# KiCad board EKO_Miner_BM1366-13xx_16-01A.kicad_pcb (continued)
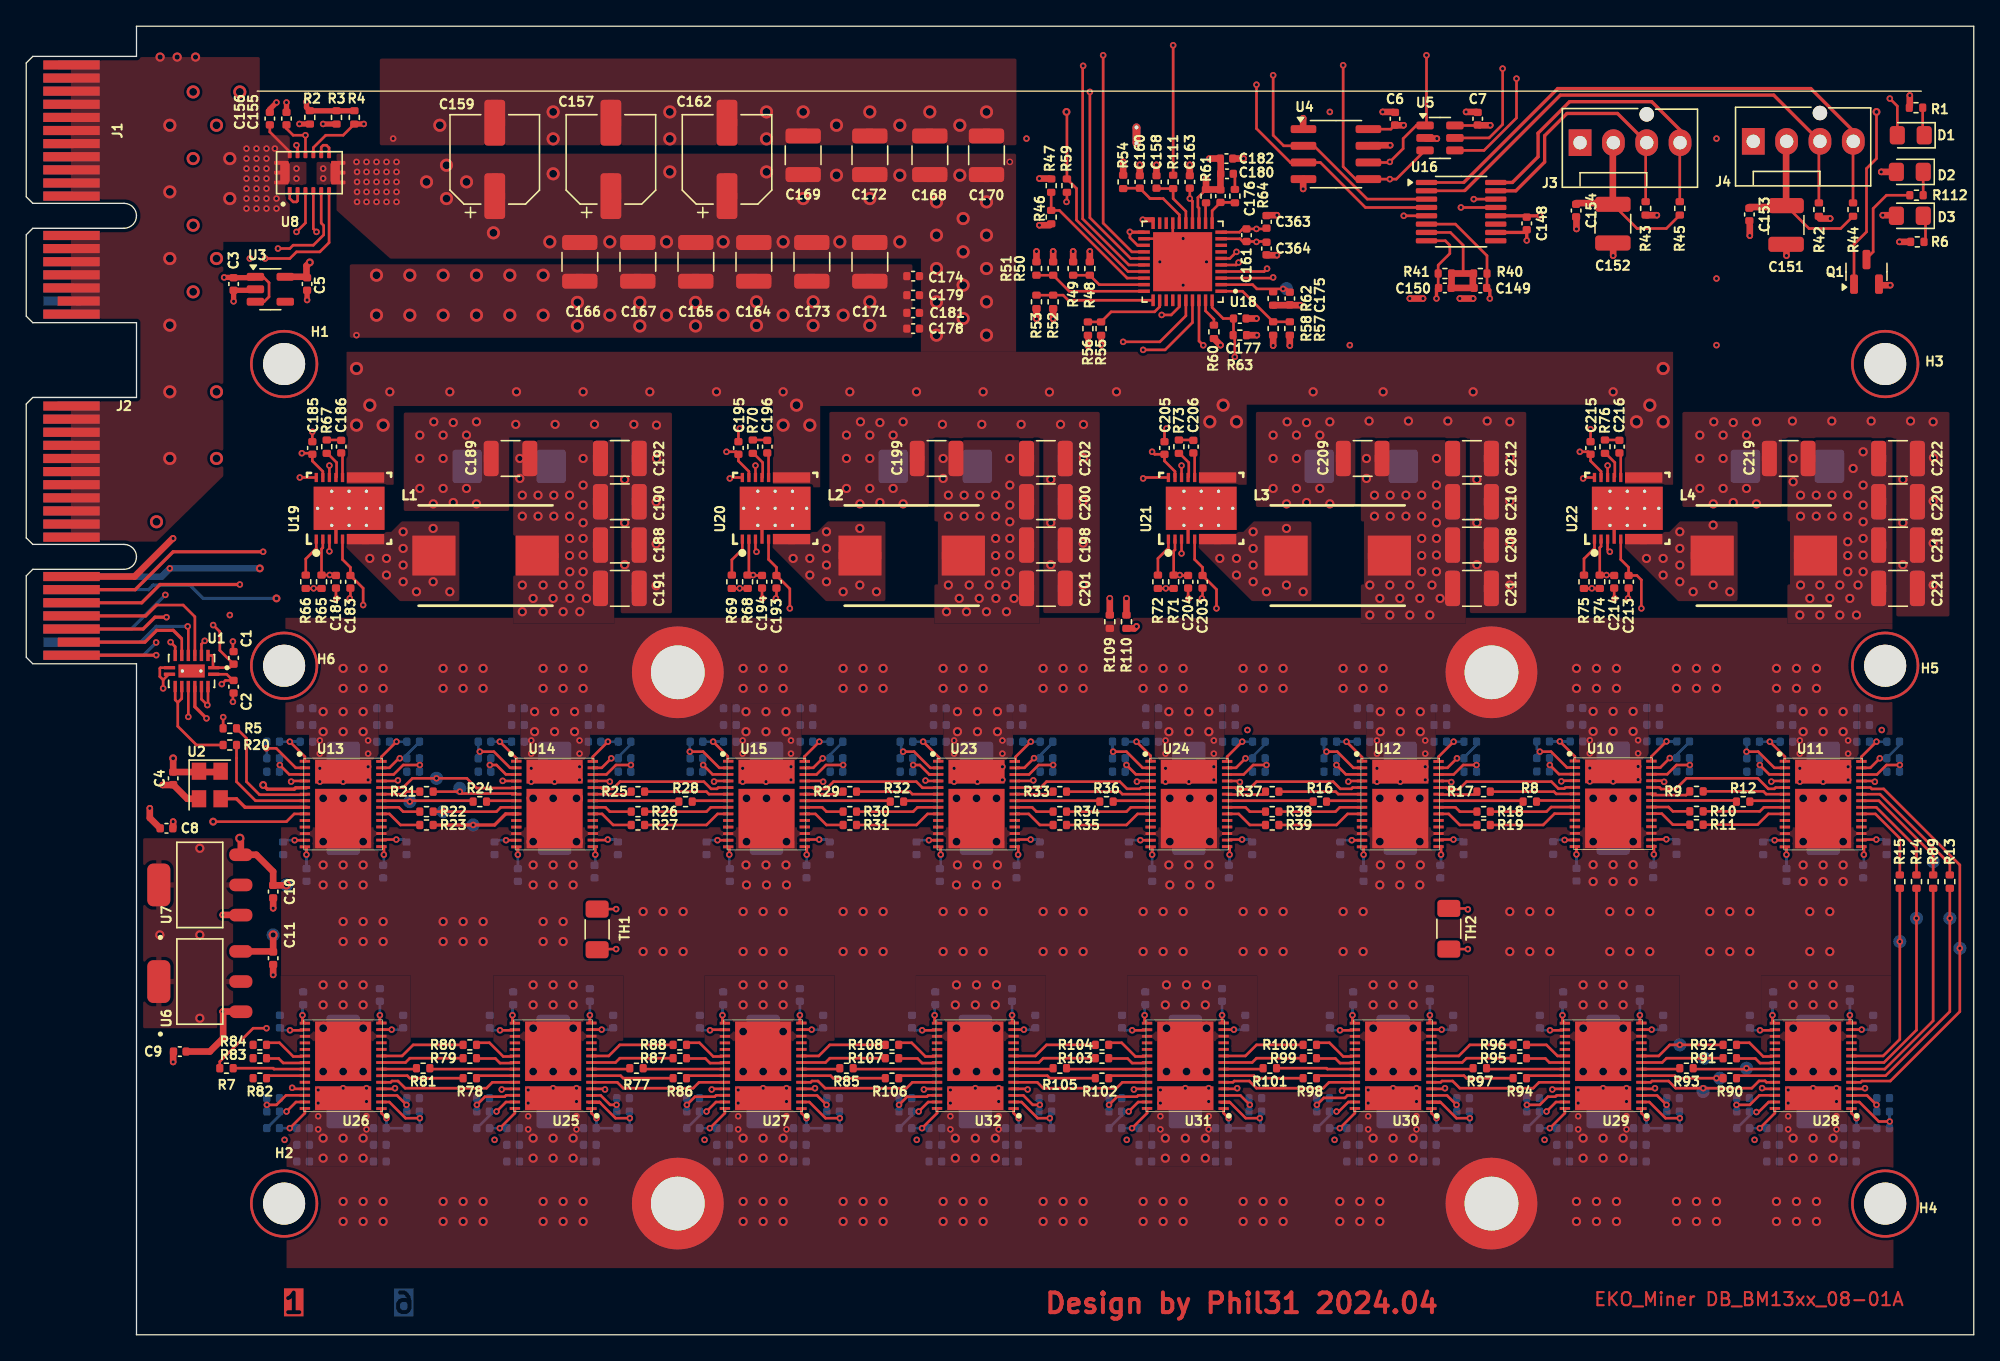
[diagram p0: board, top side]
## Routing (per net, layer and track width the routed paths; a pad name or vN(x,y) marks a point on that pad's centre or on a via; arc(x,y) is an arc through that point) (continued)
VREF: length 28.2
  Top w0.2: U18.13 89.37,85.89 89.28,85.97 89.28,86.69 R61.2 ; U20.2 55.07,58.01 R68.1 55,57.88 55.36,57.88 v2(55.39,57.91) 55.42,57.88 C194.1 ; U22.2 120,60.1 119.9,60 R74.1 119.93,57.88 120.38,57.88 v2(120.41,57.91) 120.45,57.88 C214.1 ; U19.2 22.6,60 22.5,59.9 R65.1 23.11,57.91 v2(23.12,57.92) 23.16,57.88 C184.1 ; C204.1 87.93,57.88 v2(87.9,57.91) 87.87,57.88 87.46,57.88 R71.1 87.43,59.74 87.53,59.84 U21.2
  Top w0.4: 81.9,76.1 v2(81.9,75.45)
  Top w0.5: 78,84.58 v2(77.2,84.58) ; C182.1 91.02,89.62 C180.1 91,88.48 C176.1 90.97,87.31 R61.2 v2(89.9,88.1) ; 78.25,78.23 v2(78.25,77.44) ; 96.28,76.2 v2(96.28,75.41) ; 81.04,81.79 v2(81.04,82.58) ; 90.95,89.66 v2(90.16,89.66) ; 78.25,81.79 v2(78.25,82.58)
Net-(C180-Pad2): length 1.2
  Top w0.2: R64.1 92.1,88.38 C180.2
Net-(C186-Pad1): length 1.1
  Top w0.2: C186.1 23.97,68.21 R67.1
Net-(C196-Pad1): length 1.1
  Top w0.2: C196.1 56.44,68.21 R70.1
Net-(C206-Pad1): length 1.1
  Top w0.2: C206.1 88.9,68.21 R73.1
Net-(C216-Pad1): length 1.1
  Top w0.2: R76.1 121.37,68.21 C216.1
Net-(D1-A): length 171.3
  Top w0.2: v2(142,94.23) 142.58,93.66 D1.2 ; U1.7 11.35,52.45 v2(11,52.8)
  In2.Cu w0.2: v2(11,52.8) 12.24,52.8 12.97,52.07 16.27,52.07 17.04,52.83 17.04,59.83 19.36,62.15 19.36,69.92 22.99,73.55 22.99,76.37 24.37,77.75 24.37,89.4 29.97,95 75.71,95 76.73,93.98 95.01,93.98 95.78,94.74 138.19,94.74 138.7,94.23 v2(142,94.23)
Net-(D1-K): length 2.1
  Top w0.2: R1.2 144.51,91.56 D1.1
Net-(D2-K): length 1.8
  Top w0.2: D2.1 144.55,88.64 R112.2
Net-(D3-K): length 2
  Top w0.2: 144.72,85.3 144.72,83.43 R6.2
Net-(NT1-Pad2): length 117.9
  Top w0.2: v2(109.85,32.42) 109.78,32.5 TH2.2
  In2.Cu w0.2: 138.7,31.24 139.89,32.42
  In2.Cu w0.25: 140.1,32.64 138.7,31.24 111.03,31.24 v2(109.85,32.42) ; 140.1,32.64 139.89,32.42 ; 140.1,32.64 147.08,39.62 147.08,73.88 142.93,78.04 111.21,78.04 v2(110.25,78.99)
Net-(NT2-Pad2): length 182.1
  Top w0.2: TH1.2 v2(44.95,32.45)
  In2.Cu w0.25: v2(44.95,32.45) 46.16,31.24 103.4,31.24 105.65,33.5 139.44,33.5 146.07,40.13 146.07,73.62 142.55,77.14 108.29,77.14 v2(106.44,78.99)
Net-(Q1-D): length 7.2
  Top w0.2: R112.1 141.75,86.87 140.73,85.85 140.73,82.55 140.23,82.04
Net-(U8-IN+): length 2.1
  Top w0.2: U8.1 20.08,86.62 20.34,86.36 20.59,86.36 20.68,86.44 U8.2
Net-(U8-IN-): length 1.8
  Top w0.2: U8.9 22.48,90.53 22.62,90.68 22.88,90.68 23.08,90.48 U8.8
Net-(U10-BO): length 3.1
  Top w0.2: R9.1 126.48,41.14 123.93,41.14 U10.23
Net-(U10-CLKO): length 3.1
  Top w0.2: R10.1 125.47,39.9 125.14,40.23 U10.21
Net-(U10-CO): length 3.3
  Top w0.2: R11.1 125.47,38.88 124.63,39.72 U10.20
Net-(U10-RO): length 3
  Top w0.2: U10.7 115.17,40.73 R8.1
Net-(U11-BO): length 9.8
  Top w0.2: U11.23 139.84,41.21 141.25,41.21 146.58,35.89 R13.1
Net-(U11-CLKO): length 7.6
  Top w0.2: U11.21 140.97,40.21 144.04,37.14 R14.1
Net-(U11-CO): length 6.5
  Top w0.2: U11.20 140.91,39.7 142.77,37.85 R15.1
Net-(U11-RO): length 2.7
  Top w0.2: R12.1 131.41,40.71 U11.7
Net-(U12-BO): length 3
  Top w0.2: R17.1 110.32,41.18 107.65,41.18 U12.23
Net-(U12-CLKO): length 3.1
  Top w0.2: R18.1 109.24,39.88 108.91,40.21 U12.21
Net-(U12-CO): length 3.3
  Top w0.2: R19.1 109.24,38.86 108.4,39.7 U12.20
Net-(U12-RO): length 2.7
  Top w0.2: R16.1 99.15,40.71 U12.7
Net-(U13-BO): length 3
  Top w0.2: U13.23 28.78,41.21 28.97,41.4 R21.1
Net-(U13-CLKO): length 3.1
  Top w0.2: R22.1 28.72,39.88 28.39,40.21 U13.21
Net-(U13-CO): length 3.3
  Top w0.2: U13.20 27.67,39.7 28.52,38.86 R23.1
Net-(U13-RO): length 8.8
  Top w0.2: 21.38,40.71 17.48,40.71 16.02,42.16 16.02,43.94 16.02,43.94 R20.1
Net-(U14-BO): length 3
  Top w0.2: U14.23 43.18,41.21 45.9,41.21 R25.1
Net-(U14-CLKO): length 3.1
  Top w0.2: R26.1 44.47,39.88 44.14,40.21 U14.21
Net-(U14-CO): length 3.3
  Top w0.2: R27.1 44.72,38.86 43.88,39.7 U14.20
Net-(U14-RO): length 2.3
  Top w0.2: R24.1 35.14,40.71 U14.7
Net-(U15-BO): length 3
  Top w0.2: 59.32,41.18 59.29,41.21 59.29,41.21 62.02,41.21 62.21,41.4
Net-(U15-CLKO): length 3.1
  Top w0.2: 59.29,40.21 60.65,40.21 60.98,39.88 62.21,39.88
Net-(U15-CO): length 3.3
  Top w0.2: 62.21,38.86 60.98,38.86 60.14,39.7 59.29,39.7
Net-(U15-RO): length 2.7
  Top w0.2: 50.82,40.64 50.89,40.71 53.45,40.71
Net-(U16-REF): length 10.8
  Top w0.2: 108.61,79.86 108.67,79.8 ; 109.49,80.9 109.49,83.06 108.52,84.03 U16.7 ; 110.23,80.84 R40.1
  Top w0.5: 108.67,79.8 110.23,79.8 110.23,80.84 ; 108.61,79.86 R41.2 R40.1
Net-(U16-TH1): length 125.1
  Top w0.2: TH2.1 v2(109.85,29.4) ; 111.37,79.8 111.31,79.86 R40.2 111.31,82.26 108.9,84.66 U16.6
  Top w0.25: v2(111.52,78.99) 111.52,79.64 111.37,79.8
  In2.Cu w0.25: v2(111.52,78.99) 112.03,78.49 143.11,78.49 147.59,74.01 147.59,39.37 138.96,30.73 111.18,30.73 v2(109.85,29.4)
Net-(U16-TH2): length 189
  Top w0.2: 43.5,29.4 v2(44.95,29.4) ; 106.7,83.4 108.14,83.4 108.48,83.06 108.48,82.42 107.59,81.54 R41.1 107.59,79.86 107.53,79.8
  Top w0.25: v2(107.46,78.99) 107.46,79.73 107.53,79.8
  In2.Cu w0.25: v2(44.95,29.4) 44.95,29.44 46.25,30.73 103.65,30.73 105.97,33.05 139.75,33.05 146.58,39.88 146.58,73.75 142.74,77.59 108.87,77.59 v2(107.46,78.99)
Net-(U18-ADDR_TRISE): length 10.6
  Top w0.2: U18.28 83.89,80.55 78.73,85.71 R46.2 R47.1
Net-(U18-COMP): length 3
  Top w0.2: U18.11 90.37,85.69 C176.2 92.07,86.32 R64.2
Net-(U18-F-IMAX): length 6.4
  Top w0.2: U18.32 86.37,78.37 85.98,77.98 82.67,77.98 R55.2 R56.1
Net-(U18-IMON): length 5.5
  Top w0.2: U18.2 93.45,80.05 93.77,79.73 v2(95.78,79.73) 96.03,79.73 C175.1
Net-(U18-ISUM): length 1.6
  Top w0.2: R61.1 89.87,86.25 U18.12
Net-(U18-O-USR): length 8.7
  Top w0.2: U18.30 79.47,79.55 R50.2 R51.1
Net-(U18-OCL-R): length 6.2
  Top w0.2: U18.1 92.68,79.55 R58.1 R57.2
Net-(U18-SKIP#_NVM): length 2.2
  Top w0.2: R60.2 90.5,77.41 89.87,78.05 U18.39
Net-(U18-SLEW_MODE): length 5.7
  Top w0.2: U18.29 81.76,80.05 R48.2 R49.1
Net-(U18-V5): length 4.3
  Top w0.2: C158.1 86.15,87.37 R111.1 87.39,86.61 88.37,85.64 U18.15
Net-(U18-V12): length 6.5
  Top w0.2: 86.38,86.61 85.64,86.61 C160.1 83.61,87.4 R54.1 ; 86.38,86.61 86.63,86.61 87.87,85.38 U18.16 ; 86.38,86.61 85.62,86.61
Net-(U18-VBOOT): length 9
  Top w0.2: U18.31 79.4,78.86 79.01,79.25 R53.1
Net-(U18-VSN): length 38
  Top w0.2: C363.2 94.45,84.3 92.7,84.3 92.45,84.05 U18.10
  Top w0.5: R109.1 v5(82.57,56.13)
  In2.Cu w0.2: v2(93.74,84.3) 92.98,83.54 92.98,81.56 85.94,74.52 85.94,68.69 86.34,68.29 86.34,64.79 82.57,61.02 v5(82.57,56.13)
Net-(U18-VSP): length 36.6
  Top w0.2: U18.9 92.49,83.55 92.7,83.34 93.72,83.34 v2(93.74,83.31) 93.77,83.34 94.45,83.34 C364.2
  Top w0.5: R110.1 v5(83.84,56.13)
  In2.Cu w0.2: v2(93.74,83.31) 93.49,83.06 93.49,81.51 86.34,74.35 86.34,68.86 86.89,68.31 86.89,64.77 83.84,61.72 v5(83.84,56.13)
Net-(U19-BOOT): length 2.2
  Top w0.2: R67.2 22.95,67.19 23.65,66.49 23.65,65.4 U19.9
Net-(U19-BOOTR): length 1.9
  Top w0.2: U19.8 24.1,67.12 C186.2
Net-(U19-IOUT): length 3.1
  Top w0.2: U19.1 22.1,59.94 21.3,59.14 R66.1
Net-(U19-SW):
  vias: v1(26.18,59.18) v1(27.45,59.18) v1(27.45,57.91) v1(28.72,61.21) v1(28.72,59.94) v1(28.72,58.67) v1(28.72,57.4) v1(29.74,56.64) v1(31.01,61.47) v1(31.01,57.4) v1(32.28,56.64)
Net-(U20-BOOT): length 2.2
  Top w0.2: U20.9 56.12,65.4 56.12,66.49 55.42,67.19 R70.2
Net-(U20-BOOTR): length 1.9
  Top w0.2: U20.8 56.57,67.12 C196.2
Net-(U20-IOUT): length 3.1
  Top w0.2: U20.1 54.57,59.87 53.77,59.07 R69.1
Net-(U20-SW):
  vias: v1(58.44,59.18) v1(59.71,59.18) v1(59.71,57.91) v1(60.98,61.21) v1(60.98,59.94) v1(60.98,58.67) v1(60.98,57.4) v1(62.25,56.64) v1(63.52,61.47) v1(63.52,57.15) v1(64.79,56.64)
Net-(U21-BOOT): length 2.2
  Top w0.2: R73.2 87.88,67.19 88.58,66.49 88.58,65.4 U21.9
Net-(U21-BOOTR): length 1.9
  Top w0.2: U21.8 89.03,67.12 C206.2
Net-(U21-IOUT): length 3.1
  Top w0.2: R72.1 86.23,59.18 87.03,59.98 U21.1
Net-(U21-SW):
  vias: v1(90.95,59.18) v1(92.22,59.18) v1(92.22,57.91) v1(93.49,61.21) v1(93.49,59.94) v1(93.49,58.67) v1(93.49,57.4) v1(94.51,56.64) v1(96.03,61.47) v1(96.03,57.15) v1(97.3,56.64)
Net-(U22-BOOT): length 2.2
  Top w0.2: U22.9 121.05,65.4 121.05,66.49 120.35,67.19 R76.2
Net-(U22-BOOTR): length 1.9
  Top w0.2: C216.2 121.5,67.12 U22.8
Net-(U22-IOUT): length 3.1
  Top w0.2: R75.1 118.7,59.15 119.5,59.95 U22.1
Net-(U22-SW):
  vias: v1(123.46,59.18) v1(124.73,59.18) v1(124.73,57.91) v1(126,61.21) v1(126,59.94) v1(126,58.67) v1(126,57.4) v1(127.02,56.64) v1(128.54,61.72) v1(128.54,57.15) v1(129.81,56.64)
Net-(U23-BO): length 3
  Top w0.2: 75.4,41.21 78.13,41.21 78.32,41.4
Net-(U23-CLKO): length 3.1
  Top w0.2: 75.4,40.21 76.65,40.21 76.98,39.88 78.32,39.88
Net-(U23-CO): length 3.3
  Top w0.2: 78.32,38.86 77.23,38.86 76.39,39.7 75.4,39.7
Net-(U23-RO): length 2.8
  Top w0.2: 66.82,40.64 66.89,40.71 69.56,40.71
Net-(U24-BO): length 3
  Top w0.2: R37.1 94.21,41.18 91.54,41.18 U24.23
Net-(U24-CLKO): length 3.1
  Top w0.2: U24.21 92.91,40.21 93.24,39.88 R38.1
Net-(U24-CO): length 3.3
  Top w0.2: U24.20 92.39,39.7 93.24,38.86 R39.1
Net-(U24-RO): length 2.9
  Top w0.2: R36.1 82.89,40.71 U24.7
Net-(U25-BO): length 2.8
  Top w0.2: U25.23 34.4,19.75
Net-(U25-CLKO): length 2.9
  Top w0.2: 34.32,21.06 35.75,21.06 36.1,20.71 37.04,20.71
Net-(U25-CO): length 3.2
  Top w0.2: 34.32,22.26 35.3,22.26 36.34,21.21 37.04,21.21
Net-(U25-RO): length 3
  Top w0.2: R77.1 45.92,20.25 43.07,20.25
Net-(U26-BO): length 3
  Top w0.2: U26.23 18.5,19.75 R82.1
Net-(U26-CLKO): length 2.9
  Top w0.2: 21.03,20.72 19.58,20.72 19.24,21.06 18.31,21.06
Net-(U26-CO): length 3.2
  Top w0.2: 18.31,22.26 19.3,22.26 20.34,21.21 21.04,21.21
Net-(U26-RO): length 2.7
  Top w0.2: 27.06,20.25 29.67,20.25 R81.1
Net-(U27-BO): length 2.8
  Top w0.2: U27.23 50.41,19.75
Net-(U27-CLKO): length 2.9
  Top w0.2: 50.32,21.06 51.75,21.06 52.1,20.71 53.04,20.71
Net-(U27-CO): length 3.2
  Top w0.2: 53.04,21.21 52.35,21.21 51.3,22.26 50.32,22.26
Net-(U27-RO): length 3
  Top w0.2: R85.1 61.92,20.25 59.07,20.25
Net-(U28-BO): length 2.8
  Top w0.2: U28.23 133.24,19.75 130.42,19.75 130.42,19.75
Net-(U28-CLKO): length 2.9
  Top w0.2: 133.05,20.71 132.11,20.71 131.76,21.06 130.33,21.06
Net-(U28-CO): length 3.2
  Top w0.2: 133.05,21.21 132.36,21.21 131.31,22.26 130.33,22.26
Net-(U28-RO): length 17.9
  Top w0.2: R89.1 145.31,23.93 141.62,20.25 139.08,20.25
Net-(U29-BO): length 2.8
  Top w0.2: U29.23 114.41,19.75
Net-(U29-CLKO): length 3
  Top w0.2: 114.33,21.06 115.76,21.06 116.07,20.75 U29.21
Net-(U29-CO): length 3.3
  Top w0.2: R96.1 115.84,22.1 116.69,21.25 U29.20
Net-(U29-RO): length 3
  Top w0.2: 123.08,20.25 125.93,20.25 R93.1
Net-(U30-BO): length 2.8
  Top w0.2: U30.23 98.41,19.75
Net-(U30-CLKO): length 2.9
  Top w0.2: 98.32,21.06 99.76,21.06 100.11,20.71 101.05,20.71
Net-(U30-CO): length 3.2
  Top w0.2: 98.32,22.26 99.31,22.26 100.35,21.21 101.05,21.21
Net-(U30-RO): length 3.2
  Top w0.2: 107.07,20.25 110.18,20.25 R97.1
Net-(U31-BO): length 2.8
  Top w0.2: U31.23 82.58,19.75
Net-(U31-CLKO): length 2.9
  Top w0.2: 85.21,20.71 84.27,20.71 83.92,21.06 82.49,21.06
Net-(U31-CO): length 3.2
  Top w0.2: 85.21,21.21 84.52,21.21 83.47,22.26 82.49,22.26
Net-(U31-RO): length 3
  Top w0.2: R101.1 94.18,20.25 91.24,20.25
Net-(U32-BO): length 2.8
  Top w0.2: U32.23 66.57,19.75
Net-(U32-CLKO): length 2.9
  Top w0.2: 66.49,21.06 67.92,21.06 68.27,20.71 69.21,20.71
Net-(U32-CO): length 3.2
  Top w0.2: 69.21,21.21 68.52,21.21 67.47,22.26 66.49,22.26
Net-(U32-RO): length 3
  Top w0.2: R105.1 78.18,20.25 75.24,20.25

## Copper pours and planes (outline as drawn; the poured copper is in the pictures)
+0.8V on In2.Cu: 19.85,37.13 20.85,37.13 20.85,39.12 27.65,39.12 27.65,37.13 28.75,37.13 28.75,39.12 36.15,39.12 36.15,37.13 37.05,37.13 37.05,39.12 43.75,39.12 43.75,37.03 44.85,37.03 44.85,39.12 52.25,39.12 52.25,37.03 53.15,37.03 53.15,39.12 59.95,39.12 59.95,37.03 60.85,37.03 60.85,39.12 68.35,39.12 68.35,37.03 69.25,37.03 69.25,39.12 76.15,39.12 76.15,37.03 76.95,37.03 76.95,39.12 84.35,39.12 84.35,37.03 85.35,37.03 85.35,39.12 92.25,39.12 92.25,37.03 93.05,37.03 93.05,39.12 100.45,39.12 100.45,37.03 101.45,37.03 101.45,39.12 108.35,39.12 108.35,37.03 109.15,37.03 109.15,39.12 116.8,39.12 116.8,37.03 117.65,37.03 117.65,39.12 124.6,39.12 124.6,37.03 125.5,37.03 125.5,39.12 132.75,39.12 132.75,37.03 133.65,37.03 133.65,39.12 140.55,39.12 140.55,37.03 141.35,37.03 141.35,39.91 19.85,39.91
+0.8V on In2.Cu: 140.23,23.88 139.46,23.87 139.46,22.1 132.35,22.1 132.35,23.62 131.59,23.62 131.59,22.1 124.22,22.1 124.22,23.62 123.46,23.62 123.46,22.1 116.6,22.1 116.6,23.62 115.84,23.62 115.84,22.1 108.23,22.1 108.22,23.62 107.46,23.62 107.46,22.1 100.6,22.1 100.6,23.62 99.84,23.62 99.84,22.1 92.47,22.1 92.47,23.62 91.71,23.62 91.71,22.1 84.6,22.1 84.6,23.62 83.84,23.62 83.84,22.1 76.47,22.1 76.47,23.62 75.71,23.62 75.71,22.1 68.6,22.1 68.6,23.62 67.84,23.62 67.84,22.1 60.22,22.1 60.22,23.62 59.45,23.62 59.45,22.1 52.34,22.1 52.34,23.62 51.58,23.62 51.58,22.1 44.47,22.1 44.47,23.62 43.45,23.62 43.45,22.1 36.34,22.1 36.34,23.62 35.58,23.62 35.58,22.1 28.21,22.1 28.21,23.62 27.45,23.62 27.45,22.1 20.59,22.1 20.59,23.62 19.83,23.62 19.83,21.34 140.23,21.34
+1.8V on In3.Cu: 20.36,24.06 21.36,24.06 21.36,27.69 26.51,27.69 26.51,24.06 27.41,24.06 27.41,27.69 36.71,27.69 36.71,24.06 37.46,24.06 37.46,27.69 42.61,27.69 42.61,23.96 43.51,23.96 43.51,27.69 52.66,27.69 52.66,23.96 53.56,23.96 53.56,27.69 58.46,27.69 58.46,23.96 59.51,23.96 59.51,27.69 68.76,27.69 68.76,23.96 69.66,23.96 69.66,27.69 74.81,27.69 74.81,23.96 75.61,23.96 75.61,27.69 84.6,27.69 84.6,23.96 85.5,23.96 85.5,27.69 90.76,27.69 90.76,23.96 91.71,23.96 91.71,27.69 100.45,27.69 100.45,23.96 101.35,23.96 101.35,27.69 106.5,27.69 106.5,23.96 107.3,23.96 107.3,27.69 116.55,27.69 116.55,23.96 117.35,23.96 117.35,27.69 122.45,27.69 122.45,23.96 123.4,23.96 123.4,27.69 132.65,27.69 132.65,23.96 133.45,23.96 133.45,27.69 138.45,27.69 138.45,23.96 139.25,23.96 139.25,28.99 20.36,28.99
+1.8V on In3.Cu: 20.85,36.17 21.86,36.17 21.86,38.27 26.69,38.27 26.69,36.17 27.7,36.17 27.7,38.27 37.1,38.27 37.1,36.17 37.86,36.17 37.86,38.27 42.94,38.27 42.94,36.07 43.71,36.07 43.71,38.27 53.1,38.27 53.1,36.07 54.12,36.07 54.12,38.27 59.2,38.27 59.2,36.07 59.96,36.07 59.96,38.27 69.36,38.27 69.36,36.07 70.12,36.07 70.12,38.27 75.2,38.27 75.2,36.07 75.96,36.07 75.96,38.27 85.36,38.27 85.36,36.07 86.38,36.07 86.38,38.27 91.2,38.27 91.2,36.07 92.22,36.07 92.22,38.27 101.62,38.27 101.62,36.07 102.38,36.07 102.38,38.27 107.46,38.27 107.46,36.07 108.22,36.07 108.22,38.27 117.62,38.27 117.62,36.07 118.64,36.07 118.64,38.27 123.46,38.27 123.46,36.07 124.48,36.07 124.48,38.27 133.63,38.27 133.63,36.07 134.43,36.07 134.43,38.27 139.68,38.27 139.68,36.07 140.48,36.07 140.48,38.86 20.85,38.86
+3.3V_DB on In1.Cu: 142.7,89.06 142.7,82.5 95.96,82.5 95.96,94.81 21.86,94.81 21.86,81.12 21.25,81.12 21.25,96.1 114.89,96.1 114.89,89.06
+12V_PWR on Top: 3.4,97.4 17.8,97.4 17.8,91.44 20.08,91.44 20.08,89.41 21.35,89.41 21.35,87.63 20.08,87.63 20.08,83.31 15.02,83.31 15.02,65.45 9.93,60.46 3.4,60.45
+12V_PWR on In1.Cu: 7.97,97.03 18.56,97.03 18.56,93.35 20.85,93.35 20.85,76.84 17.56,76.84 17.56,67.83 9.93,60.35 7.97,60.34
+12V_PWR on In1.Cu: 142.77,89.6 116.3,89.6 116.3,97 9.4,97 9.4,98.81 142.77,98.81
/PSU_160A/VIN on Top: 24.4,64.8 28,64.8 28,70.8 56.9,70.8 56.9,64.6 60.5,64.6 60.5,70.8 89.4,70.8 89.4,64.8 93,64.8 93,70.9 121.8,70.9 121.8,64.8 125.49,64.8 125.49,74.93 24.4,74.93
/PSU_160A/VIN on Top: 75.43,73.24 68.17,73.24 68.17,82.04 27.73,82.04 23.64,85.71 23.64,87.63 22.12,87.63 22.12,89.41 23.64,89.41 23.64,90.04 75.43,90.04
/PSU_160A/VIN on In1.Cu: 75.93,73.24 65.63,73.24 65.63,81.79 27.89,81.79 23.64,85.71 23.64,87.63 22.12,87.63 22.12,89.41 23.64,89.41 23.64,90.04 75.93,90.04
/PSU_160A/VIN on In1.Cu: 24.4,68.36 28,68.36 28,70.8 56.9,70.8 56.9,68.41 60.5,68.41 60.5,70.8 89.4,70.8 89.4,68.61 93,68.61 93,70.9 121.8,70.9 121.8,68.61 125.49,68.61 125.49,75.69 24.4,75.69
GND on Top: 146.55,54.76 146.55,70.35 126.2,70.35 126.2,63.1 133.78,63.1 133.78,68.31 142.5,68.31 142.5,54.76
GND on Top: 81.8,55.02 81.8,70.35 61.2,70.35 61.2,63.1 68.78,63.1 68.78,68.31 77.5,68.31 77.5,55.02
GND on Top: 49.2,55 49.2,70.3 28.77,70.3 28.77,62.8 36.8,62.8 36.8,68.4 45.3,68.4 45.3,55
GND on Top: 67.52,76 67.52,81.6 24.66,81.6 24.66,76
GND on Top: 75.46,90.68 75.46,97.28 26.94,97.28 26.94,90.68
GND on Top: 142.1,38.69 142.1,22.65 19.42,22.65 19.42,38.69
GND on Top: 132.19,27.39 132.19,20.19 142.09,20.19 142.09,27.39
GND on Top: 51.69,27.39 51.69,20.19 61.59,20.19 61.59,27.39
GND on Top: 83.89,27.39 83.89,20.19 93.79,20.19 93.79,27.39
GND on Top: 116.09,27.39 116.09,20.19 125.99,20.19 125.99,27.39
GND on Top: 67.79,27.39 67.79,20.19 77.69,20.19 77.69,27.39
GND on Top: 15.77,23.37 15.77,37.85 8.91,37.85 8.91,23.37
GND on Top: 114.3,55.02 114.3,70.35 93.7,70.35 93.7,63.1 101.28,63.1 101.28,68.31 110,68.31 110,55.02
GND on Top: 99.99,27.39 99.99,20.19 109.89,20.19 109.89,27.39
GND on Top: 19.39,27.39 19.39,20.19 29.29,20.19 29.29,27.39
GND on Top: 35.59,27.39 35.59,20.19 45.49,20.19 45.49,27.39
GND on Bottom: 3.5,97.5 14,97.5 14,64.44 10.16,60.6 3.5,60.6
GND on Bottom: 9.42,98.55 9.42,11.43 146.58,11.43 146.58,98.81
GND on In2.Cu: 9.42,98.55 9.42,11.41 146.58,11.41 146.58,98.53
GND on In3.Cu: 9.42,14.22 146.58,14.22 146.58,98.55 9.42,98.55
GND on In4.Cu: 9.42,14.22 146.57,14.22 146.32,98.56 9.42,98.56
GND on In4.Cu: 28.9,77 28.9,86.9 12.9,86.9 12.9,77
GNDA on In4.Cu: 97.52,77.32 95.27,75.03 91.46,75.03 91.46,74.27 76.73,74.27 76.73,91.44 92.22,91.44 97.55,85.45
/PSU_160A/FFCM on In4.Cu: 22.37,65.79 120.83,65.79 120.83,66.55 22.37,66.55
/PSU_160A/TSEN on In4.Cu: 20.6,67.06 118.81,67.06 118.81,67.79 94.51,67.79 94.51,72.01 92.73,74.93 91.2,74.93 93.24,71.63 93.24,67.82 20.6,67.82
VPWR_ASIC on Top: 142.28,18.83 142.28,5.08 19.83,5.08 19.83,18.83
VPWR_ASIC on Top: 142.2,54.65 142.2,45.73 19.75,45.73 19.75,54.65
VPWR_ASIC on Top, Bottom: 42.96,41.9 42.96,48.15 37.66,48.15 37.66,41.9
VPWR_ASIC on Top, Bottom: 142.2,54.2 142.2,68.2 134.2,68.2 134.2,54.2
VPWR_ASIC on Top, Bottom: 85.62,19.06 85.62,12.81 90.92,12.81 90.92,19.06
VPWR_ASIC on Top, Bottom: 101.45,19.06 101.45,12.81 106.76,12.81 106.76,19.06
VPWR_ASIC on Top, Bottom: 123.63,41.92 123.63,48.17 118.32,48.17 118.32,41.92
VPWR_ASIC on Top, Bottom: 107.41,41.9 107.41,48.15 102.1,48.15 102.1,41.9
VPWR_ASIC on Top, Bottom: 139.63,41.9 139.63,48.15 134.32,48.15 134.32,41.9
VPWR_ASIC on Top, Bottom: 133.46,19.06 133.46,12.81 138.76,12.81 138.76,19.06
VPWR_ASIC on Top, Bottom: 117.45,19.06 117.45,12.81 122.76,12.81 122.76,19.06
VPWR_ASIC on Top, Bottom: 44.8,54.2 44.8,68.2 37.1,68.2 37.1,54.2
VPWR_ASIC on Top, Bottom: 77.2,54.2 77.2,68.2 69.2,68.2 69.2,54.2
VPWR_ASIC on Top, Bottom: 37.44,19.06 37.44,12.81 42.75,12.81 42.75,19.06
VPWR_ASIC on Top, Bottom: 21.44,19.06 21.44,12.81 26.75,12.81 26.75,19.06
VPWR_ASIC on Top, Bottom: 59.08,41.9 59.08,48.15 53.77,48.15 53.77,41.9
VPWR_ASIC on Top, Bottom: 91.3,41.9 91.3,48.15 85.99,48.15 85.99,41.9
VPWR_ASIC on Top, Bottom: 26.85,41.9 26.85,48.15 21.55,48.15 21.55,41.9
VPWR_ASIC on Top, Bottom: 109.7,54.2 109.7,68.2 101.7,68.2 101.7,54.2
VPWR_ASIC on Top, Bottom: 75.19,41.9 75.19,48.15 69.88,48.15 69.88,41.9
VPWR_ASIC on Top, Bottom: 53.45,19.06 53.45,12.81 58.75,12.81 58.75,19.06
VPWR_ASIC on Top, Bottom: 69.61,19.06 69.61,12.81 74.92,12.81 74.92,19.06
VPWR_ASIC on Bottom, In3.Cu, In4.Cu: 139.23,14 139.23,2.54 21.61,2.54 21.61,14
VPWR_ASIC on In1.Cu: 16.27,2.54 142.01,2.54 141.98,68.07 16.27,68.07
VREF on In3.Cu: 121.09,53 22.4,53 22.4,58.5 23.64,58.5 23.64,54.36 45.23,54.36 45.23,54.86 54.88,54.86 54.88,58.42 55.9,58.42 55.9,54.26 84.05,54.26 84.05,74.79 76.74,74.79 76.74,90.6 91.21,90.6 98.78,83.03 98.78,74.8 86.05,74.8 86.05,54.27 87.15,54.26 87.15,58.3 88.39,58.3 88.39,54.26 108.98,54.25 108.98,54.86 119.91,54.86 119.91,58.3 121.09,58.3
Net-(U19-SW) on Top, In1.Cu: 24.4,60 28.47,55.93 33,55.93 33,62 28.6,62 27.8,61.2 24.4,61.2
Net-(U20-SW) on Top, In1.Cu: 56.87,60 60.94,55.93 65.47,55.93 65.47,62 61.07,62 60.27,61.2 56.87,61.2
Net-(U21-SW) on Top, In1.Cu: 89.33,60 93.4,55.93 97.93,55.93 97.93,62 93.53,62 92.73,61.2 89.33,61.2
Net-(U22-SW) on Top, In1.Cu: 121.8,60 125.87,55.93 130.4,55.93 130.4,62 126,62 125.2,61.2 121.8,61.2

## Text on the board
Bottom: 6
B.Silkscreen: PWR
Top: EKO_Miner DB_BM13xx_08-01A | 1 | Design by Phil31 2024.04
In1.Cu: 2
In2.Cu: 3
In3.Cu: 4
In4.Cu: 5
